# KiCad board W1-AT PCB.kicad_pcb (continued)
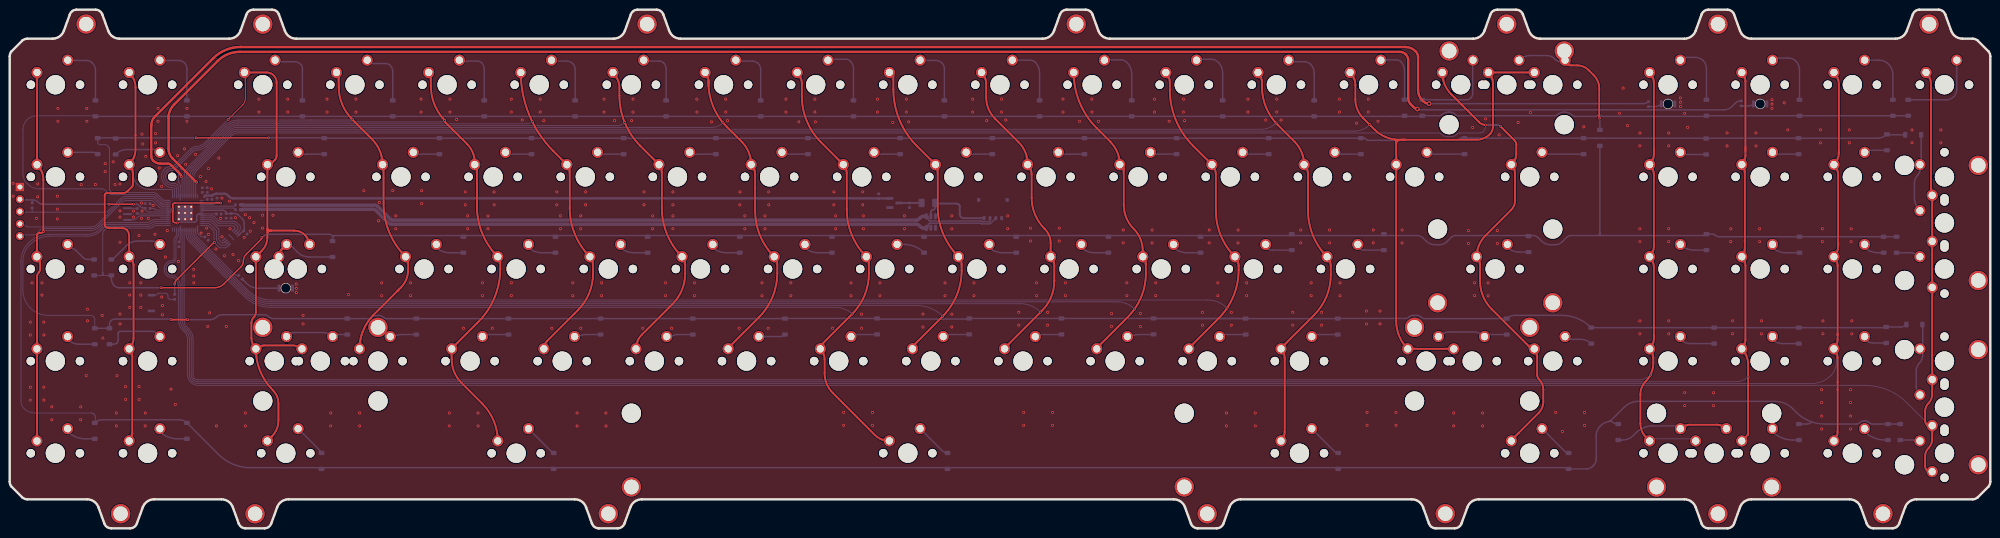
[diagram p0: board, top side]
## Routing (per net, layer and track width the routed paths; a pad name or vN(x,y) marks a point on that pad's centre or on a via; arc(x,y) is an arc through that point) (continued)
D+: length 159
  Bottom w0.3: J3.3 202.81,63.08 arc(202.68,62.99) 202.52,62.96 200.94,62.96 200.93,62.98 arc(200.8,63.06) 200.64,63.09 190.27,63.09 arc(190.11,63.06) 189.98,62.98 189.96,62.95 arc(189.87,62.82) 189.84,62.66 189.84,62.09 U3.3
  Bottom w0.7: U3.3 188.88,62.09 arc(188.58,62.15) 188.32,62.33 188,62.65 arc(187.74,62.82) 187.43,62.88 78.88,62.88 arc(78.58,62.94) 78.32,63.11 75.7,65.73 arc(75.44,65.91) 75.14,65.97 48.27,65.97 48.19,65.88 R4.1
D-: length 157.9
  Bottom w0.3: J3.2 202.67,63.57 202.5,63.41 201.13,63.41 201.11,63.43 arc(200.98,63.51) 200.83,63.54 190.32,63.54 arc(190.16,63.57) 190.03,63.66 189.96,63.74 arc(189.87,63.87) 189.84,64.02 189.84,64.52 U3.4
  Bottom w0.7: U3.4 188.88,64.52 arc(188.58,64.46) 188.32,64.28 188,63.96 arc(187.74,63.79) 187.43,63.73 79.24,63.73 arc(78.93,63.79) 78.67,63.96 76.05,66.58 arc(75.79,66.76) 75.49,66.82 48.27,66.82 48.19,66.9 R5.1
NUMLED1: length 344.8
  Top w0.5: v2(293.44,87.82) arc(292.78,87.95) 292.22,88.32 292.05,88.49 arc(291.39,89.47) 291.16,90.64 291.16,97.42 arc(291.03,98.09) 290.65,98.65 arc(289.67,99.31) 288.51,99.54 47.7,99.54 arc(44.65,98.93) 42.07,97.2 30.05,85.19 arc(29.48,84.33) 29.28,83.32 29.28,76.96 arc(29.37,76.47) 29.66,76.04 arc(30.36,75.57) 31.19,75.41 32.7,75.41 arc(33.06,75.34) 33.35,75.14 35.26,73.23 arc(35.41,73.01) v1(35.46,72.74)
  Bottom w0.2: U4.34 35.66,72.27 arc(35.61,72.52) v1(35.46,72.74)
  Bottom w0.3: v2(293.44,87.82) 337.75,87.82 arc(338.31,87.93) R3.2
NUMLED2: length 361
  Top w0.5: 32.84,85.25 32.84,78.46 arc(33.05,77.4) 33.65,76.5 38.49,71.67 arc(38.57,71.62) v1(38.66,71.6) ; v2(291.02,86.71) arc(290.67,86.78) 290.37,86.98 289.63,87.73 arc(289.25,88.29) 289.12,88.95 289.12,96.79 arc(288.99,97.45) 288.61,98.01 arc(288.05,98.39) 287.38,98.52 47.56,98.52 arc(45.1,98.03) 43.01,96.64 33.97,87.6 arc(33.13,86.33) 32.83,84.84
  Bottom w0.2: U4.41 38.46,71.12 arc(38.51,71.38) v1(38.66,71.6)
  Bottom w0.3: R8.2 357.74,88.37 arc(357.23,88.27) 356.81,87.98 356.03,87.21 arc(355.28,86.7) 354.4,86.53 291.21,86.53 v2(291.02,86.71)
QSPI_SCLK: length 9.4
  Bottom w0.2: U5.6 47.05,61.73 arc(47.16,61.89) 47.2,62.07 arc(47.15,62.31) 47.02,62.51 46.69,62.83 arc(46.41,63.02) 46.07,63.09 43.12,63.09 42.11,64.1 arc(41.98,64.19) 41.83,64.22 U4.52
QSPI_SD0: length 8.1
  Bottom w0.2: U4.53 41.65,63.82 arc(41.8,63.79) 41.93,63.7 42.93,62.7 arc(43.06,62.61) 43.21,62.58 46.05,62.58 arc(46.17,62.56) 46.27,62.49 46.47,62.29 arc(46.54,62.19) 46.56,62.07 arc(46.54,61.96) 46.47,61.86 U5.5
QSPI_SD1: length 8.5
  Bottom w0.2: U5.2 44.63,58.61 arc(44.54,58.54) 44.42,58.52 43.89,58.52 ; U4.55 41.12,63.02 arc(41.27,62.99) 41.4,62.9 arc(41.42,62.9) 41.43,62.89 42.57,61.74 arc(42.7,61.55) 42.75,61.31 42.75,59.77 arc(42.82,59.43) 43,59.15 43.46,58.7 arc(43.66,58.56) 43.89,58.52
QSPI_SD2: length 8.1
  Bottom w0.2: U4.54 41.48,63.42 arc(41.64,63.39) 41.77,63.3 43.13,61.94 arc(43.22,61.81) 43.25,61.65 43.25,59.93 arc(43.29,59.69) 43.43,59.49 43.81,59.11 arc(43.91,59.04) 44.04,59.02 44.25,59.02 arc(44.33,59.03) 44.4,59.08 U5.3
QSPI_SD3: length 10.8
  Bottom w0.2: U4.51 41.99,64.62 arc(42.14,64.59) 42.27,64.5 43.17,63.61 arc(43.3,63.52) 43.45,63.49 43.45,63.49 46.28,63.49 arc(46.64,63.42) 46.94,63.22 47.52,62.63 arc(47.66,62.43) 47.7,62.2 arc(47.61,61.71) 47.33,61.3 U5.7 ; 47.27,61.16 47.09,60.98
QSPI_SS: length 23.2
  Top w0.3: v1(34.11,50.52) arc(34.21,50.99) 34.47,51.38 42.11,59.02 arc(42.21,59.08) v1(42.32,59.11)
  Bottom w0.2: U5.1 44.9,58.16 arc(44.73,58.05) 44.53,58.01 43.64,58.01 arc(43.4,58.06) 43.21,58.19 42.44,58.96 arc(42.29,59.17) 42.24,59.43 42.24,61.18 arc(42.2,61.42) 42.06,61.62 41.23,62.45 arc(41.05,62.57) 40.83,62.62 U4.56
  Bottom w0.3: v1(34.11,50.52) R7.1
RESET: length 33.3
  Bottom w0.2: U4.26 31.92,67.02 ; R6.2 4.65,65.37 ; 4.65,65.37 19.89,65.37 arc(20.12,65.42) 20.32,65.55 22.94,68.17 arc(23.44,68.5) 24.02,68.62 29.48,68.62 arc(29.48,68.62) 29.49,68.62 29.51,68.62 arc(29.58,68.61) 29.65,68.6 29.7,68.6 arc(29.77,68.58) 29.85,68.55 29.88,68.54 arc(29.95,68.5) 30.02,68.46 30.06,68.44 arc(30.11,68.39) 30.17,68.35 30.18,68.34 arc(30.19,68.33) 30.19,68.32 30.67,67.84 arc(30.68,67.84) 30.69,67.83 30.74,67.77 arc(30.75,67.77) 30.76,67.76 31.2,67.32 arc(31.21,67.31) 31.22,67.3 31.23,67.29 arc(31.28,67.24) 31.34,67.2 ; 4.65,65.37 2.42,65.37 arc(2.25,65.41) J2.3 ; 31.38,67.18 arc(31.45,67.14) 31.52,67.1 31.55,67.09 arc(31.63,67.06) 31.7,67.04 ; 31.89,67.02 arc(31.82,67.02) 31.75,67.03
ROW0: length 434.4
  Bottom w0.2: U4.27 32.04,67.42 arc(31.72,67.48) 31.45,67.66 30.38,68.72 arc(30.06,68.94) 29.67,69.02 29.67,69.02 21.27,69.02 arc(20.72,69.13) 20.26,69.44 19.85,69.85 arc(19.46,70.11) 19,70.2 6.12,70.2 arc(4.76,70.47) 3.61,71.24 arc(2.97,72.2) 2.75,73.33 2.75,82.46 arc(2.97,83.57) 3.59,84.51 arc(4.48,85.11) 5.53,85.31 17.42,85.31 arc(17.59,85.28) D1.1
  Bottom w0.3: D83.1 D67.1 arc(350.63,85.22) 350.47,85.19 329.25,85.19 arc(329.13,85.21) 329.03,85.28 329,85.31 arc(328.85,85.41) 328.69,85.44 328.54,85.44 arc(328.37,85.41) 328.23,85.31 arc(328.09,85.22) 327.93,85.19 323.46,85.19 arc(323.29,85.22) 323.15,85.31 323.11,85.36 arc(322.31,85.89) 321.38,86.08 arc(320.55,85.91) 319.86,85.45 319.85,85.44 arc(319.71,85.35) 319.54,85.31 299.33,85.31 arc(299.16,85.35) 299.02,85.44 298.93,85.54 arc(298.33,85.94) 297.63,86.08 297.51,86.08 arc(296.68,85.91) 295.98,85.44 arc(295.83,85.35) 295.67,85.31 292.04,85.31 arc(292.04,85.31) D68.1 arc(291.9,85.22) 291.73,85.19 285.43,85.19 arc(285.43,85.19) 285.43,85.19 285.43,85.19 D1.1
ROW1: length 400
  Top w0.3: v1(38.55,80.74) v1(53.53,80.74)
  Bottom w0.2: 18.26,80.74 D2.1 18.19,79.86 arc(18.24,79.65) 18.35,79.47 arc(18.49,79.38) 18.66,79.34 19.65,79.34 arc(19.98,79.28) 20.26,79.09 ; 32.66,67.82 U4.28 31.94,67.82 arc(31.81,67.84) 31.7,67.91 30.5,69.11 arc(30.14,69.35) 29.72,69.44 21.31,69.44 arc(21.04,69.49) 20.81,69.65 arc(20.68,69.84) 20.64,70.07 20.64,78.25 20.64,78.36 20.6,78.57 20.51,78.77 20.39,78.95 20.32,79.02
  Bottom w0.3: v1(53.53,80.74) 64.87,80.74 arc(64.95,80.73) D12.1 D59.1 280.09,80.68 arc(280.17,80.66) 280.24,80.61 280.53,80.32 arc(280.63,80.26) 280.75,80.23 299.24,80.23 arc(299.4,80.27) 299.54,80.36 299.74,80.56 arc(299.87,80.65) 300.03,80.68 D64.1 D69.1 D74.1 ; D84.1 388.18,81.38 D79.1 arc(387.2,80.88) 386.17,80.68 D74.1 ; 18.26,80.74 37.18,80.74 ; D74.1 arc(369.76,80.63) 369.68,80.61 ; 37.24,80.74 38.54,80.74 arc(38.54,80.74) v1(38.55,80.74)
ROW2: length 427.8
  Top w0.3: v1(31.31,49.75) 42.42,49.75 arc(43.42,49.95) 44.26,50.52 47.76,54.01 arc(48.18,54.64) 48.33,55.39 arc(48.46,56.05) 48.83,56.61 51.96,59.73 arc(52.09,59.93) v1(52.14,60.17)
  Bottom w0.2: 19.24,52.29 19.5,52.29 ; 19.24,52.29 19.24,52.93 ; 19.24,52.29 18.99,52.29 ; 19.5,52.29 21.02,52.29 arc(21.02,52.29) D8.1 ; 19.5,52.29 arc(19.31,52.58) 19.24,52.91 ; 19.24,52.93 19.24,60.92 arc(19.31,61.27) 19.51,61.56 19.57,61.62 arc(20.07,61.96) 20.65,62.07 28.95,62.07 arc(29.38,62.16) 29.75,62.4 29.75,62.41 arc(29.98,62.56) 30.26,62.62 U4.15 ; 19.24,52.93 19.24,52.91 ; 18.99,52.29 17.47,52.29 arc(17.47,52.29) D3.1 ; 18.99,52.29 arc(19.18,52.58) 19.24,52.91
  Bottom w0.3: 328.74,61.18 D65.1 ; 328.74,61.18 328.74,60.55 ; 328.74,61.18 328.74,61.16 ; D8.1 21.02,51.67 arc(21.19,50.84) 21.66,50.13 arc(22.08,49.85) 22.58,49.75 v1(31.31,49.75) ; 329,60.55 350.09,60.55 arc(350.46,60.62) D89.1 352.11,60.83 arc(352.32,60.79) 352.49,60.68 arc(352.91,60.39) 353.41,60.29 D85.1 ; 329,60.55 328.74,60.55 ; 329,60.55 arc(328.81,60.83) 328.74,61.16 ; 328.74,60.55 328.49,60.55 ; D13.1 66.74,60.12 arc(66.77,60.28) 66.87,60.42 ; 328.49,60.55 322.8,60.55 arc(322.31,60.45) 321.88,60.17 320.99,59.27 arc(320.29,58.81) 319.47,58.64 318.52,58.64 arc(317.52,58.84) 316.68,59.41 315.98,60.1 arc(315.49,60.43) 314.9,60.55 298.93,60.55 arc(298.43,60.45) 298.01,60.17 297.11,59.27 arc(296.42,58.81) 295.59,58.64 294.64,58.64 arc(293.64,58.84) 292.8,59.41 292.11,60.1 arc(291.61,60.43) 291.02,60.55 67.17,60.55 arc(67.01,60.52) 66.87,60.42 ; 328.49,60.55 arc(328.68,60.83) 328.74,61.16 ; 66.87,60.42 arc(66.45,60.7) 65.95,60.8 53.67,60.8 arc(52.84,60.64) v1(52.14,60.17)
ROW3: length 457.3
  Top w0.4: v1(33.35,43.15) v1(36.78,43.15)
  Bottom w0.2: U4.16 30.13,63.02 arc(29.87,62.97) 29.66,62.82 arc(29.25,62.55) 28.77,62.45 28.57,62.45 20.3,62.45 arc(19.8,62.35) 19.38,62.07 18.95,61.64 arc(17.6,60.74) 16.01,60.42 8.43,60.42 arc(6.11,59.96) 4.14,58.64 4.14,58.64 arc(3.1,57.08) 2.73,55.24 2.73,49.27 arc(3.13,47.27) 4.27,45.56 arc(5.96,44.44) 7.95,44.04 16.72,44.04 arc(17.06,43.97) 17.34,43.78 17.41,43.71 arc(17.54,43.51) 17.59,43.28 D4.1
  Bottom w0.3: 160.31,43.4 D36.1 ; D36.1 D32.1 D19.1 77.79,43.37 arc(77.59,43.41) 77.41,43.53 arc(76.85,43.91) 76.18,44.04 76.14,44.04 arc(75.43,43.9) 74.84,43.5 arc(74.69,43.4) 74.53,43.37 D14.1 54.53,43.37 arc(53.99,43.48) 53.53,43.78 arc(53.11,44.07) 52.61,44.17 43.92,44.17 arc(43.3,44.04) 42.77,43.69 arc(42.23,43.31) 41.59,43.15 36.78,43.15 v1(36.78,43.15) ; D36.1 arc(160.31,43.39) 160.35,43.4 D41.1 179.46,43.27 198.05,43.27 arc(198.23,43.3) D45.1 255.45,43.4 arc(255.49,43.39) D57.1 ; D57.1 236.48,43.37 ; D57.1 D61.1 arc(274.61,43.4) 274.66,43.4 288.63,43.4 arc(288.96,43.47) 289.24,43.66 arc(289.67,43.94) 290.16,44.04 290.86,44.04 arc(291.36,43.94) 291.78,43.66 arc(292.1,43.45) 292.48,43.37 D66.1 arc(310.24,43.87) 311.11,44.04 320.83,44.04 arc(324.15,43.38) D71.1 387.62,41.5 arc(387.78,41.53) D81.1 390.89,41.62 arc(391.55,41.76) D86.1 ; D4.1 D9.1 20.64,42.28 arc(20.71,42.61) 20.89,42.9 arc(21.32,43.18) 21.81,43.28 33.23,43.28 v1(33.35,43.15)
ROW4: length 474.2
  Bottom w0.2: 17.72,22.32 17.72,22.98 17.72,23.06 17.68,23.23 17.62,23.39 17.52,23.53 17.46,23.59 17.4,23.65 17.26,23.75 17.1,23.81 16.94,23.84 16.85,23.85 5.15,23.85 arc(3.98,24.08) 3,24.73 arc(2.51,25.47) 2.33,26.34 2.33,55.27 arc(2.74,57.3) 3.89,59.02 arc(5.86,60.34) 8.18,60.8 16.03,60.8 arc(17.48,61.09) 18.72,61.92 19.13,62.33 arc(19.69,62.7) 20.35,62.83 28.5,62.83 arc(28.99,62.93) 29.42,63.22 arc(29.64,63.36) 29.9,63.42 U4.17
  Bottom w0.3: 390.84,21.56 388.3,21.56 arc(388.3,21.56) 388.3,21.56 385.1,21.56 arc(384.77,21.63) 384.49,21.81 ; 369.89,21.56 371.5,21.56 arc(372.07,21.67) 372.56,22 ; D5.1 arc(18.3,22.28) 19.13,22.45 35.11,22.45 arc(35.94,22.28) D10.1 43.21,15.25 arc(46.2,13.25) 49.74,12.54 63.86,12.54 arc(64.19,12.48) D15.1 arc(64.75,12.48) 65.08,12.54 321.67,12.54 arc(322,12.48) D72.1 326.01,12.29 arc(326.67,12.42) 327.23,12.8 327.45,13.02 arc(327.85,13.62) 327.99,14.32 327.99,19.21 arc(328.19,20.21) 328.75,21.05 328.96,21.26 arc(329.95,21.92) 331.12,22.15 arc(331.78,21.71) 332.55,21.56 ; 330.53,22.1 arc(330.79,22.15) 331.01,22.29 333.72,25 arc(335.11,25.93) 336.76,26.26 364.94,26.26 arc(366.93,25.86) 368.62,24.73 369.38,23.97 arc(372.05,22.19) 375.21,21.56 381.83,21.56 arc(382.16,21.63) 382.44,21.81 ; 384.49,21.81 arc(384.06,22.09) 383.55,22.19 383.33,22.19 arc(382.86,22.1) 382.46,21.84
SWCLK: length 34.1
  Bottom w0.2: U4.24 31.42,66.22 arc(31.12,66.28) 30.86,66.45 29.69,67.61 arc(29.5,67.74) 29.28,67.79 24.21,67.79 arc(23.62,67.67) 23.12,67.34 18.43,62.65 arc(17.71,62.17) 16.86,62 7.04,62 arc(6.64,61.92) 6.3,61.69 5.55,60.95 arc(5.26,60.75) 4.9,60.68 2.72,60.68 arc(2.39,60.61) J2.5
SWD: length 33.8
  Bottom w0.2: U4.25 31.75,66.62 31.65,66.62 31.46,66.66 31.28,66.73 31.11,66.84 31.04,66.91 31.04,66.91 29.95,67.99 arc(29.71,68.16) 29.42,68.22 29.32,68.22 24.12,68.22 arc(23.54,68.11) 23.06,67.78 18.18,62.9 arc(17.54,62.48) 16.79,62.33 3.87,62.33 arc(3.53,62.39) 3.25,62.58 arc(2.83,62.86) 2.33,62.96 J2.4
XIN: length 8.7
  Bottom w0.2: Y2.1 25.62,63.78 arc(25.89,63.83) 26.11,63.98 26.49,64.36 arc(26.78,64.55) 27.12,64.62 U4.20
XOUT: length 6.5
  Bottom w0.2: U4.21 26.62,65.02 arc(26.48,65.04) R1.2
Net-(D1-A): length 13.2
  Bottom w0.3: D1.2 17.73,94.7 arc(17.57,95.53) 17.1,96.24 arc(16.53,96.61) 15.87,96.74 12.16,96.74 arc(12.07,96.76) SW2.2
Net-(D2-A): length 6.3
  Bottom w0.3: SW3.2 17.28,77.76 arc(17.77,77.66) D2.2
Net-(D3-A): length 6.4
  Bottom w0.3: 17.46,55.6 16.1,55.6 arc(15.6,55.7) 15.18,55.98 13.78,57.37 arc(12.95,57.93) 11.96,58.13
Net-(D4-A): length 5.9
  Bottom w0.3: D4.2 14.39,38.07 arc(13.08,38.33) 11.96,39.08
Net-(D5-A): length 6
  Bottom w0.3: 17.59,18.51 15.62,18.51 arc(13.64,18.91) 11.96,20.03
Net-(D6-A): length 13.3
  Bottom w0.3: D6.2 36.64,95.01 arc(36.51,95.67) 36.13,96.24 arc(35.57,96.61) 34.91,96.74 32.26,96.74 arc(31.59,96.61) 31.01,96.23
Net-(D7-A): length 9.6
  Bottom w0.3: D7.2 22.02,77.43 arc(23.02,78.1) 24.2,78.33 29.67,78.33 arc(30.42,78.18) SW8.2
Net-(D8-A): length 12
  Bottom w0.3: 21.43,55.6 21.02,55.6 arc(21.26,55.64) 21.46,55.78 24.18,58.5 arc(25.18,59.17) 26.36,59.41 29.37,59.41 arc(30.28,59.22) SW9.2
Net-(D9-A): length 12.9
  Bottom w0.3: SW10.2 30.38,40.33 arc(29.93,40.63) 29.4,40.74 22.85,40.74 arc(22.69,40.7) 22.54,40.61 arc(22.45,40.47) 22.42,40.3 22.42,38.94 arc(22.35,38.61) 22.16,38.32 arc(21.88,38.14) 21.55,38.07 D9.2
Net-(D10-A): length 6
  Bottom w0.3: 36.64,18.51 34.67,18.51 arc(32.69,18.91) 31.01,20.03
Net-(D11-A): length 13.1
  Bottom w0.3: D11.2 60.52,95.06 arc(60.42,95.56) 60.14,95.98 arc(59.57,96.36) 58.91,96.49 55.46,96.49 arc(55.12,96.42) 54.83,96.23
Net-(D12-A): length 5.6
  Bottom w0.3: D12.2 60.01,77.38 SW13.2
Net-(D13-A): length 13.5
  Top w0.4: SW89.2 56.33,57.79 arc(55.83,57.05) SW14.1
  Bottom w0.3: D13.2 61.95,56.1 arc(60.63,56.37) 59.5,57.12 58.39,58.24 arc(57.86,58.58) SW89.2
Net-(D14-A): length 13.1
  Bottom w0.3: SW90.2 57.51,39.92 arc(58.13,40.34) 58.87,40.48 64.78,40.48 arc(65.86,40.27) SW15.2 arc(67.23,39.96) 67.77,40.07 D14.2
Net-(D15-A): length 7
  Bottom w0.3: SW16.2 64.34,15.9 arc(64.43,15.76) D15.2
Net-(D16-A): length 12.3
  Bottom w0.3: D16.2 79.19,94.5 arc(79.05,95.17) 78.68,95.73 arc(78.26,96.01) 77.76,96.11 74.16,96.11 arc(74.01,96.14) 73.88,96.23
Net-(D17-A): length 5.5
  Bottom w0.3: 83.4,77.18 83.6,77.38 D17.2
Net-(D18-A): length 5.9
  Bottom w0.3: D18.2 90.9,56.99 arc(89.42,57.29) 88.16,58.13
Net-(D19-A): length 5.7
  Bottom w0.3: D19.2 81.04,40.07 arc(79.74,39.81) 78.64,39.08
Net-(D20-A): length 7.3
  Bottom w0.3: SW21.2 112.14,15.72 arc(112.29,15.62) D20.2
Net-(D21-A): length 12.8
  Bottom w0.3: D21.2 98.11,95.01 arc(97.98,95.67) 97.6,96.24 arc(97.18,96.52) 96.68,96.62 93.87,96.62 arc(93.36,96.52) 92.93,96.23
Net-(D22-A): length 5.5
  Bottom w0.3: D22.2 102.65,77.38 102.45,77.18
Net-(D23-A): length 5.9
  Bottom w0.3: D23.2 109.95,56.99 arc(108.47,57.29) 107.21,58.13
Net-(D24-A): length 5.5
  Bottom w0.3: D24.2 98.73,40.07 arc(98.19,39.96) SW25.2
Net-(D25-A): length 12.4
  Bottom w0.3: D25.2 116.91,94.88 arc(116.77,95.55) 116.4,96.11 arc(115.83,96.48) 115.17,96.62 112.92,96.62 arc(112.41,96.52) 111.98,96.23
Net-(D26-A): length 5.5
  Bottom w0.3: D26.2 121.7,77.38 121.5,77.18
Net-(D27-A): length 5.9
  Bottom w0.3: D27.2 129,56.99 arc(127.52,57.29) 126.26,58.13
Net-(D28-A): length 5.7
  Bottom w0.3: D28.2 119.14,40.07 arc(117.84,39.81) 116.74,39.08
Net-(D29-A): length 12.2
  Bottom w0.3: D29.2 135.7,95.01 arc(135.57,95.67) 135.19,96.24 arc(134.77,96.52) 134.27,96.62 131.53,96.62 arc(131.28,96.67) SW30.2
Net-(D30-A): length 5.5
  Bottom w0.3: 140.55,77.18 140.75,77.38 D30.2
Net-(D31-A): length 5.9
  Bottom w0.3: D31.2 148.05,56.99 arc(146.57,57.29) 145.31,58.13
Net-(D32-A): length 5.7
  Bottom w0.3: D32.2 138.19,40.07 arc(136.89,39.81) 135.79,39.08
Net-(D33-A): length 12.7
  Bottom w0.3: D33.2 155.26,94.88 arc(155.13,95.55) 154.75,96.11 arc(154.19,96.48) 153.53,96.62 151.02,96.62 arc(150.51,96.52) 150.08,96.23
Net-(D34-A): length 5.5
  Bottom w0.3: 159.6,77.18 159.8,77.38 D34.2
Net-(D35-A): length 5.9
  Bottom w0.3: D35.2 167.1,56.99 arc(165.62,57.29) 164.36,58.13
Net-(D36-A): length 5.5
  Bottom w0.3: SW37.2 159.28,39.66 arc(159.82,39.77) D36.2
Net-(D37-A): length 7.7
  Bottom w0.3: SW38.2 192.81,16.04 arc(193.3,15.71) D37.2
Net-(D38-A): length 13.1
  Bottom w0.3: D38.2 174.44,95.08 arc(174.27,95.91) 173.8,96.62 arc(173.38,96.9) 172.88,97 169.63,97 arc(169.38,96.95) SW39.2
Net-(D39-A): length 5.5
  Bottom w0.3: 178.65,77.18 178.85,77.38 D39.2
Net-(D40-A): length 6
  Bottom w0.3: 183.45,58.71 184.9,58.71 arc(187.14,58.26) D40.2
Net-(D41-A): length 5.5
  Bottom w0.3: 179.33,40.07 174.93,40.07 arc(174.39,39.96) SW42.2
Net-(D42-A): length 12.5
  Bottom w0.3: D42.2 193.23,95.01 arc(193.1,95.67) 192.72,96.24 arc(192.16,96.61) 191.5,96.74 188.37,96.74 arc(188.29,96.76) SW43.2
Net-(D43-A): length 5.5
  Bottom w0.3: D43.2 197.9,77.38 197.7,77.18
Net-(D44-A): length 5.9
  Bottom w0.3: D44.2 205.2,56.99 arc(203.72,57.29) 202.46,58.13
Net-(D45-A): length 5.5
  Bottom w0.3: 198.38,40.07 193.98,40.07 arc(193.44,39.96) SW46.2
Net-(D46-A): length 13
  Bottom w0.3: D46.2 212.92,94.22 arc(212.69,95.38) 212.03,96.36 arc(211.54,96.69) 210.96,96.81 SW47.2
Net-(D47-A): length 5.5
  Bottom w0.3: 216.75,77.18 216.95,77.38 D47.2
Net-(D48-A): length 5.9
  Bottom w0.3: D48.2 224.25,56.99 arc(222.77,57.29) 221.51,58.13
Net-(D49-A): length 5.5
  Bottom w0.3: 217.43,40.07 213.03,40.07 arc(212.49,39.96) SW50.2
Net-(D50-A): length 12.9
  Bottom w0.3: D50.2 231.97,93.91 arc(231.7,95.24) 230.95,96.36 arc(230.39,96.74) 229.73,96.87 226.47,96.87 arc(226.39,96.85) SW51.2
Net-(D51-A): length 5.5
  Bottom w0.3: D51.2 236,77.38 235.8,77.18
Net-(D52-A): length 5.9
  Bottom w0.3: D52.2 243.3,56.99 arc(241.82,57.29) 240.56,58.13
Net-(D53-A): length 5.7
  Bottom w0.3: 236.48,40.07 233.44,40.07 arc(232.14,39.81) 231.04,39.08
Net-(D54-A): length 12.8
  Bottom w0.3: D54.2 250.76,94.22 arc(250.53,95.38) 249.87,96.36 arc(249.17,96.83) 248.34,97 245.83,97 arc(245.58,96.95) SW55.2
Net-(D55-A): length 5.5
  Bottom w0.3: 254.85,77.18 255.05,77.38 D55.2
Net-(D56-A): length 5.6
  Bottom w0.3: D56.2 261.05,57.53 arc(260.27,57.69) 259.61,58.13
Net-(D57-A): length 5.5
  Bottom w0.3: D57.2 251.13,40.07 arc(250.59,39.96) SW58.2
Net-(D58-A): length 12.5
  Bottom w0.3: D58.2 269.69,94.14 arc(269.49,95.14) 268.92,95.98 arc(268.36,96.36) 267.7,96.49 265.01,96.49 arc(264.67,96.42) 264.38,96.23
Net-(D59-A): length 5.5
  Bottom w0.3: D59.2 274.1,77.38 273.9,77.18
Net-(D60-A): length 5.6
  Bottom w0.3: D60.2 280.1,57.53 arc(279.32,57.69) 278.66,58.13
Net-(D61-A): length 5.5
  Bottom w0.3: D61.2 270.18,40.07 arc(269.64,39.96) SW62.2
Net-(D62-A): length 7.5
  Bottom w0.3: SW63.2 273.87,15.91 arc(274.23,15.67) D62.2
Net-(D63-A): length 12.3
  Bottom w0.3: D63.2 288.36,94.65 arc(288.16,95.65) 287.59,96.49 arc(287.17,96.77) 286.67,96.87 283.62,96.87 arc(283.54,96.85) SW64.2
Net-(D64-A): length 7.9
  Bottom w0.3: 292.95,77.18 293.15,77.38 D64.2
Net-(D65-A): length 28.6
  Top w0.4: v1(328.61,84.84) 328.61,90.94 arc(328.32,92.43) 327.47,93.7 326.43,94.74 arc(325.33,95.47) 324.04,95.73 322.73,95.73 arc(322.08,95.86) 321.53,96.23
  Bottom w0.3: D65.2 328.74,84.71 v1(328.61,84.84) ; SW66.2 arc(313.1,97.51) 314.34,97.76 317.83,97.76 arc(318.64,97.6) 319.33,97.14 arc(320.34,96.46) 321.53,96.23
Net-(D66-A): length 14.7
  Bottom w0.3: D66.2 305.9,40.07 arc(305.36,39.96) SW68.2 arc(303.84,40.36) 302.6,40.61 297.67,40.61 arc(296.43,40.36) SW92.2
Net-(D67-A): length 13.3
  Bottom w0.3: D67.2 350.78,95.06 arc(350.59,95.97) 350.08,96.74 arc(349.37,97.21) 348.54,97.38 346.76,97.38 arc(346.01,97.23) SW67.2
Net-(D68-A): length 17.5
  Bottom w0.3: D68.2 301.15,88.61 arc(301.65,88.71) 302.07,89 arc(302.35,89.42) 302.45,89.92 302.45,96.17 arc(302.46,96.2) 302.48,96.23
Net-(D69-A): length 8.7
  Bottom w0.3: D69.2 316.96,77.38 316.76,77.18
Net-(D70-A): length 4.7
  Bottom w0.3: 314.01,57.12 312.02,57.12 arc(310.7,57.38) 309.59,58.13
Net-(D71-A): length 5.7
  Bottom w0.3: 321.46,39.08 324.84,39.08 arc(325.99,38.85) D71.2
Net-(D72-A): length 7.5
  Bottom w0.3: 316.8,20.61 321.5,15.91 arc(321.86,15.67) D72.2
Net-(D73-A): length 13.3
  Bottom w0.3: D73.2 370.02,94.78 arc(369.82,95.77) 369.25,96.62 arc(368.55,97.09) 367.72,97.25 365.5,97.25 arc(364.92,97.14) SW74.2
Net-(D74-A): length 5.5
  Bottom w0.3: 364.39,77.18 364.59,77.38 D74.2
Net-(D75-A): length 5.9
  Bottom w0.3: D75.2 367.12,56.99 arc(365.64,57.29) 364.39,58.13
Net-(D76-A): length 5.7
  Bottom w0.3: D76.2 366.51,38.2 arc(365.36,38.43) 364.39,39.08
Net-(D77-A): length 6
  Bottom w0.3: D77.2 368.66,18.26 arc(366.35,18.72) 364.39,20.03
Net-(D78-A): length 12.8
  Bottom w0.3: SW79.2 386.44,96.81 arc(387.52,96.59) 388.43,95.98 arc(389.09,95) 389.32,93.84 D78.2
Net-(D79-A): length 5.1
  Bottom w0.3: 383.44,77.18 384.43,78.17 D79.2
Net-(D80-A): length 4.3
  Bottom w0.3: D80.2 386.17,56.99 arc(384.69,57.29) 383.44,58.13
Net-(D81-A): length 4.7
  Bottom w0.3: D81.2 385.26,38.32 arc(384.27,38.52) 383.44,39.08
Net-(D82-A): length 5.3
  Bottom w0.3: D82.2 387.71,18.26 arc(385.4,18.72) 383.44,20.03
Net-(D83-A): length 16.7
  Bottom w0.3: D83.2 400.36,88.61 arc(401.19,88.78) 401.89,89.25 arc(402.36,89.95) 402.53,90.78 402.53,96.13 arc(402.52,96.18) 402.49,96.23
Net-(D84-A): length 16.5
  Bottom w0.3: D84.2 395.16,75.5 395.49,75.18 ; SW94.2 394.91,74.04 arc(394.81,73.54) 394.53,73.12 arc(393.96,72.28) 393.77,71.28 393.77,68.45 arc(394.06,66.96) SW85.2
Net-(D85-A): length 5
  Bottom w0.3: D85.2 392.91,56.99 arc(393.99,56.78) SW86.2
Net-(D86-A): length 15.1
  Bottom w0.3: SW87.2 arc(394.34,28.44) 394.15,29.43 394.15,32.6 arc(394.31,33.43) 394.78,34.13 arc(395.3,34.92) 395.49,35.84 395.49,41.96 arc(395.47,42.05) 395.42,42.13
Net-(D87-A): length 4.7
  Bottom w0.3: D87.2 394.93,18.26 arc(395.23,18.2) 395.49,18.03
Net-(D88-A): length 5.4
  Bottom w0.3: D88.2 345.47,77.31 345.34,77.18
Net-(D89-A): length 5.7
  Bottom w0.3: D89.2 348.21,57.53 arc(346.68,57.84) SW93.2
Net-(D90-A): length 7.3
  Bottom w0.3: D90.2 347.46,38.2 arc(346.31,38.43) 345.34,39.08
Net-(D91-A): length 23.8
  Top w0.4: SW98.2 arc(346.29,21.22) 347.37,21.43 352.91,21.43 arc(353.99,21.22) SW97.2
  Bottom w0.3: D91.2 333.46,18.26 arc(334.62,18.49) 335.6,19.15 336.19,19.74 arc(337.79,20.81) 339.66,21.18 344,21.18 arc(344.75,21.03) SW98.2
Net-(D92-A): length 8.3
  Bottom w0.3: D92.1 51.35,49.66 arc(50.06,49.91) 48.97,50.64 48.07,51.54 arc(48.06,51.55) R2.1
Net-(D93-A): length 2.8
  Bottom w0.3: 338.77,87.22 340.14,87.22 arc(340.84,87.36) D93.1
Net-(D94-A): length 2.6
  Bottom w0.3: R8.1 359.49,87.35 arc(360.03,87.45) D94.1
Net-(R7-Pad2): length 5.9
  Bottom w0.2: R7.2 33.16,47.34 arc(32.99,47.37) 32.84,47.47 arc(32.75,47.61) 32.72,47.77 32.72,48.18 arc(32.68,48.34) 32.59,48.48 arc(32.45,48.58) 32.28,48.61 30.86,48.61 arc(30.7,48.58) 30.56,48.48 30.41,48.34 arc(30.26,48.24) 30.09,48.2 SW1.2

## Copper pours and planes (outline as drawn; the poured copper is in the pictures)
+3.3V on Bottom: 38.8,67.28 38.8,69.69 41.21,69.69 41.21,67.28
+3.3V on Bottom: 33.47,62.45 33.47,68.04 39.05,68.04 39.05,65.88 39.94,65.88 39.94,65.25 39.05,65.25 39.05,62.45
GND on Top, Bottom: 415.23,110.46 415.23,-7.65 -2.6,-7.65 -2.6,110.46

Small or netless copper shapes (teardrops, artwork), in the pictures only: 157 on Top, 345 on Bottom

## Text on the board
B.Silkscreen: Rev. 1	Designed by Finn Krassoi ©	For use with GeonWorks W1-AT	https://github.com/FinnKrass/W1-AT-RP2040
